# Allegro board LAY-29364_B.brd (continued)
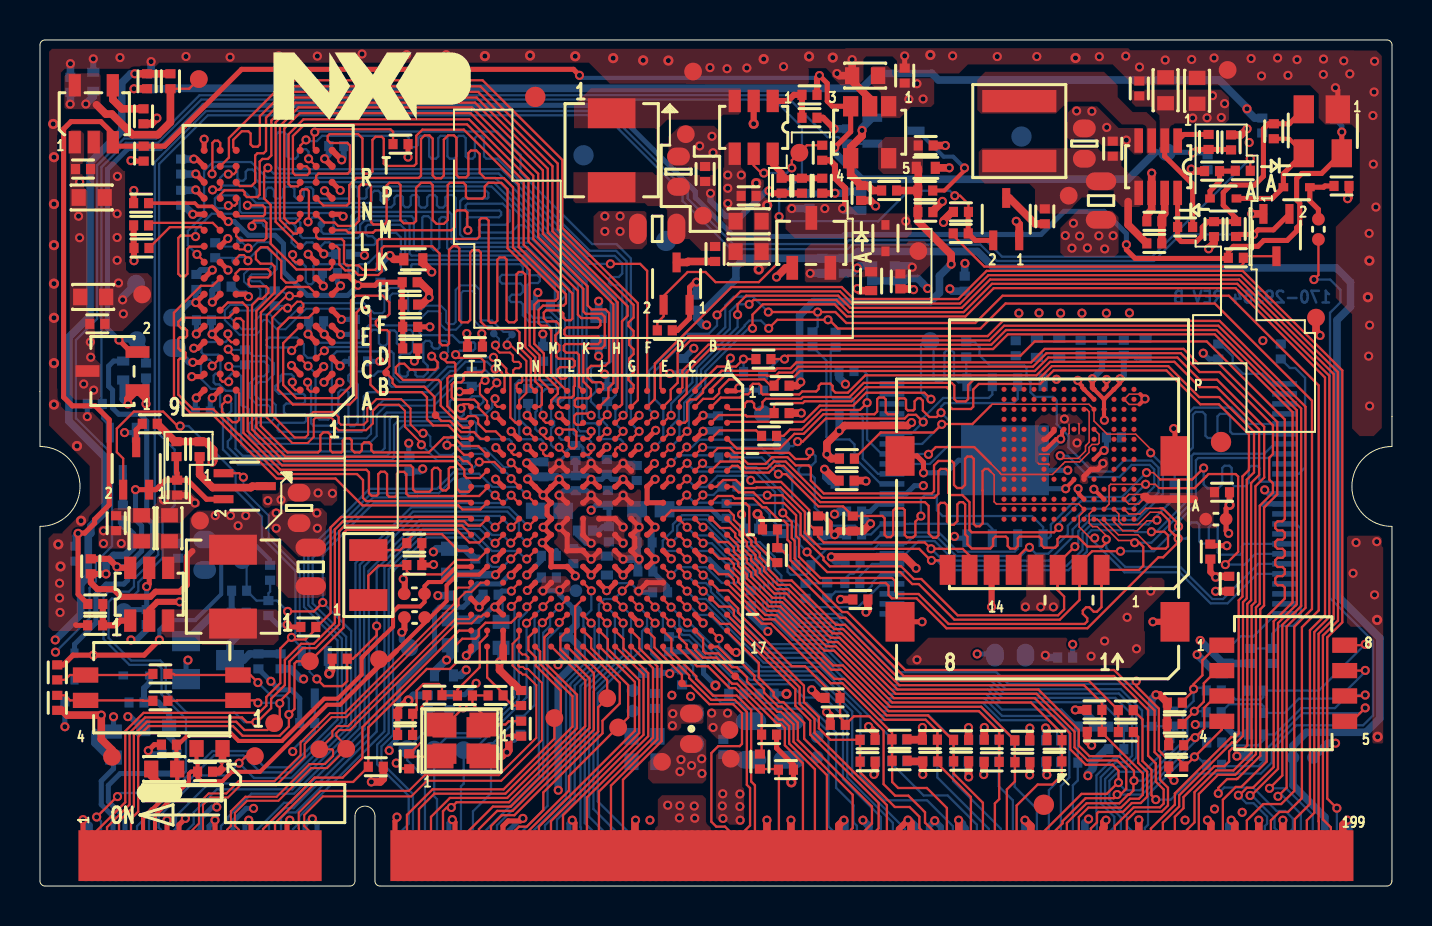
[diagram p0: board, top side]
## Placement (name value [footprint] x y rotation side) (continued)
R703  0  [0402_CC]  40.19 31.05 90 bottom
R704  0  [0402_CC]  39.12 31.05 90 bottom
R705  0  [0402_CC]  5.35 40.28 90 top
R706  133K  [0402_CC]  6.83 21.87 270 top
R707  90.9K  [0402_CC]  5.49 23.14 180 top
R708  953K  [0402_CC]  7.98 21.87 270 top
R709  0  [0402_CC]  6.52 40.28 90 top
R710  10K  [0402_CC]  2.76 14.12 180 top
R713  100K  [0402_CC]  6.86 19.94 270 top
R714  100K  [0402_CC]  13.42 12.97 180 top
R715  100K  [0402_CC]  14.99 11.38 180 top
R716  100K  [0402_CC]  57.26 32.99 180 top
R717  180K  [0402_CC]  55.72 32.16 0 top
R718  40.2K  [0402_CC]  55.72 33.27 180 top
R719  127K  [0402_CC]  38.1 35.05 90 top
R720  464K  [0402_CC]  42.46 34.81 180 top
R721  243K  [0402_CC]  44.27 34.81 0 top
R722  10K  [0402_CC]  38.48 39.6 0 top
R723  100K  [0402_CC]  39.12 35.05 270 top
R724  200K  [0402_CC]  41.06 34.69 270 top
R725  100K  [0402_CC]  40.36 37.52 90 bottom
R726  0  [0402_CC]  58.43 37.24 270 top
R727  0  [0402_CC]  59.56 37.22 270 top
R728  0  [RC0805_OV]  30.86 32.89 180 top
R729  0  [RC0805_OV]  13.54 15.98 90 top
R730  0  [RC0805_OV]  53.06 34.31 270 top
R731  0  [0402_CC]  44.27 33.73 180 top
R732  0  [RC0603_OV]  32.57 7.87 90 top
R733  10K  [0402_CC]  59.81 32.88 270 top
R734  51  [0402_CC]  50.24 33.52 270 top
R735  100K  [0402_CC]  59.8 31.44 0 top
R736  51  [0402_CC]  33.76 31.64 270 top
R737  51  [0402_CC]  4.15 18.69 90 bottom
R740  10K  [0402_CC]  46.04 32.66 180 top
R755  1M  [0402_CC]  65.08 35.04 0 top
R757  100  [0402_CC]  60.14 35.8 180 top
R758  0  [0402_CC]  61.69 37.78 90 top
R759  100K  [0402_CC]  5.33 13.46 90 bottom
R760  100K  [0402_CC]  39.12 36.7 90 top
SW601  DHN-04  [97C04]  62.17 10.15 270 top
SW602  1571983-1  [SW_DIP2_1P27_SM]  6.09 9.93 90 top
TP201  -  [TPAD_015]  22.69 27.65 90 bottom
TP202  -  [TPAD_015]  17.31 25.69 270 top
TP203  -  [TPAD_015]  9.75 31.31 270 bottom
TP204  -  [TPAD_015]  19.78 23.57 270 top
TP205  -  [TPAD_015]  23.61 27.6 90 bottom
TP206  -  [TPAD_015]  10 32.32 270 bottom
TP207  -  [TPAD_015]  25.91 24.31 90 bottom
TP208  -  [TPAD_015]  14.07 33.12 90 bottom
TP212  TP_35MIL  [TESTPOINT_35MIL]  32.29 37.63 270 top
TP214  TP_35MIL  [TESTPOINT_35MIL]  59.39 40.85 270 top
TP216  TP_35MIL  [TESTPOINT_35MIL]  5.11 29.61 270 top
TP301  TP_35MIL  [TESTPOINT_35MIL]  44.52 27.28 180 bottom
TP303  TP_35MIL  [TESTPOINT_35MIL]  37.08 22.02 0 bottom
TP402  -  [TPAD_015]  32.1 10.14 0 top
TP403  -  [TPAD_015]  34.77 10.5 0 top
TP502  TP_35MIL  [TESTPOINT_35MIL]  19.71 6.83 90 bottom
TP503  TP_35MIL  [TESTPOINT_35MIL]  25.72 8.41 270 top
TP504  TP_35MIL  [TESTPOINT_35MIL]  18.36 6.85 90 bottom
TP505  TP_35MIL  [TESTPOINT_35MIL]  22.55 6.77 90 bottom
TP506  TP_35MIL  [TESTPOINT_35MIL]  21.18 6.8 90 bottom
TP507  TP_35MIL  [TESTPOINT_35MIL]  10.11 16.31 270 bottom
TP508  TP_35MIL  [TESTPOINT_35MIL]  21.18 20.01 90 bottom
TP701  TP_35MIL  [TESTPOINT_35MIL]  4.85 27.33 90 bottom
TP702  TP_35MIL  [TESTPOINT_35MIL]  8 18.29 90 top
TP703  TP_35MIL  [TESTPOINT_35MIL]  4.19 13.72 90 bottom
TP704  TP_35MIL  [TESTPOINT_35MIL]  7.94 40.39 90 top
TP705  TP_35MIL  [TESTPOINT_35MIL]  51.44 34.55 0 top
TP706  TP_35MIL  [TESTPOINT_35MIL]  56.35 36.73 180 bottom
TP707  TP_35MIL  [TESTPOINT_35MIL]  43.92 31.78 270 top
TP708  TP_35MIL  [TESTPOINT_35MIL]  33.15 33.56 270 top
TP709  TP_35MIL  [TESTPOINT_35MIL]  36.14 23.63 0 bottom
TP710  TP_35MIL  [TESTPOINT_35MIL]  37.97 36.7 270 top
TP801  TP_35MIL  [TESTPOINT_35MIL]  31.1 6.22 0 top
TP802  TP_35MIL  [TESTPOINT_35MIL]  28.36 9.4 270 top
TP803  TP_35MIL  [TESTPOINT_35MIL]  28.91 7.94 270 top
TP804  TP_35MIL  [TESTPOINT_35MIL]  34.47 7.82 270 top
TP805  TP_35MIL  [TESTPOINT_35MIL]  18.47 11.94 270 bottom
TP806  TP_35MIL  [TESTPOINT_35MIL]  63.81 28.45 270 top
TP807  TP_35MIL  [TESTPOINT_35MIL]  15.31 6.87 90 top
TP808  TP_35MIL  [TESTPOINT_35MIL]  13.97 6.84 90 top
TP809  TP_35MIL  [TESTPOINT_35MIL]  16.96 11.35 90 top
TP810  TP_35MIL  [TESTPOINT_35MIL]  13.5 11.25 270 top
TP811  TP_35MIL  [TESTPOINT_35MIL]  11.71 8.15 270 top
TP812  TP_35MIL  [TESTPOINT_35MIL]  3.6 6.47 180 top
TP813  TP_35MIL  [TESTPOINT_35MIL]  32.66 40.77 270 top
TP814  TP_35MIL  [TESTPOINT_35MIL]  34.54 6.37 0 top
TP815  TP_35MIL  [TESTPOINT_35MIL]  4.8 30.15 270 bottom
TP816  TP_35MIL  [TESTPOINT_35MIL]  10.74 6.5 90 top
U101  MCIMX6Y2DVM09AB  [BGA289_0P8_14X14]  27.96 18.39 270 top
U201  MT41K256M16TW-107:P  [BGA96_0P8_8P15X14P15]  11.41 30.82 180 top
U301  MTFC8GACAAAM  [FBGA153_0P5_11P5X13]  51.45 21.61 180 top
U302  MT29F32G08CBADBWP-12IT:D  [TSOP48_12X20]  52.42 19.38 0 bottom
U303  MT25QL256ABA1EW9  [WPDFN8_1P27_8X6MM]  48.25 21.31 90 bottom
U501  UM803RS  [SOT-23]  8.4 11.31 90 bottom
U701  RT9169-33GVL  [SOT23-3-1P95]  3.63 25.78 90 top
U702  AP3401KTTR-G1  [SOT23-6]  5.46 14.61 0 top
U703  MP2144GJ  [TSOT23_8_0P65_2X1]  55.91 36 270 top
U704  RT9193  [SOT23-5]  2.74 38.63 0 top
U705  RT9169-18GVL  [SOT23-3-1P95]  38.57 32.19 0 top
U706  AP3401KTTR-G1  [SOT23-6]  35.69 37.97 180 top
U707  UM1750S-00  [SOT23-5_A]  41.49 37.73 270 top
U708  UM805RE  [SOT_143]  64.14 37.78 180 top
Y501  24MHZ  [XTLOSC4_3P2X2P5MM_SM]  21.08 7.29 180 top
Y502  32.768kHz  [XTAL2-3P2X1P5-SM]  16.42 15.56 90 top
Y503  24MHz  [XTLOSC4_2P6X2P1MM_SM]  21.08 7.29 0 top

## Library data of the parts
C101-C103 C106-C109 C111-C113 C116-C124 C201-C230 C301 C303-C306 C308-C316 C318 C319 C321-C323 C401-C405 C407-C414 C501 C503 C701-C733 C735-C747 C801-C809 C811-C820 = CAP_NP
C415-C418 C420-C423 C505-C508 = CAP_NP: room: ATLAS-AP
D102 D103 D701 D702 D705 = DIODE_SCHTKY
J301 = CON_MICROSD_8P_4G
L701 = IND: tolerance: 30%
L702 L703 = INDUCTOR
L801 L802 = BEAD_0
P801 = CONN_EDGE_200P
Q501 Q701 = NMOSFET_3P_ESD_DIODE
Q702-Q707 = 2SK3018
R101 R201-R209 R302-R312 R315 R317-R324 R402-R413 R501 R508 R510-R520 R617-R620 R624 R627-R630 R655 R656 R701-R710 R713-R737 R740 R755 R757-R760 = RES
R301 R503 R507 R601-R616 R621-R623 R625 R626 R631-R654 = RES: tolerance: 5%
SW601 = SW_DIP-4_SM
SW602 = SW_DIP-2_SMT
TP201-TP208 TP402 TP403 = TESTLOOP
TP212 TP214 TP216 TP301 TP303 TP502-TP508 TP701-TP710 TP801-TP816 = T POINT R: Tolerance: TOLERANCE; User Part Number: 510-75618
U101 = MCIMX6Y2DVM05AA_PBGA_289P
U201 = MT41J256M16RE_FBGA96
U301 = MTFC4GMVEA_WFBGA_153P
U302 = MT29F32G08CBADB_48P
U303 = MT25QL256ABA1EW9_9P
U501 = SGM803_SOT23-3P
U701 U705 = RT9169_3P
U702 U706 = AP3401KTTR_SOT23-6P
U703 = MP2144GJ_TSOT23_8P
U704 = RT9193-33PB
U707 = UM1750S-00_5P
U708 = UM805_4P
Y501 = XTAL_13
Y502 = XTAL
Y503 = SG8002

## Footprints (pads in the part's own frame, mm; a bottom-side part is the same pattern mirrored in y, then rotated)
97C04
  rect 0.762x1.245 smd: 1(-1.905,-3.073) 2(-0.635,-3.073) 3(0.635,-3.073) 4(1.905,-3.073) 5(1.905,3.073) 6(0.635,3.073) 7(-0.635,3.073) 8(-1.905,3.073)
0402_CC
  rect 0.457x0.508 smd: 1(-0.375,0) 2(0.375,0)
0603_CC
  rect 0.711x0.838 smd: 1(-0.65,0) 2(0.65,0)
BGA96_0P8_8P15X14P15
  round 0.356 smd: A1(-3.2,6) A2(-2.4,6) A3(-1.6,6) A7(1.6,6) A8(2.4,6) A9(3.2,6) B1(-3.2,5.2) B2(-2.4,5.2) B3(-1.6,5.2) B7(1.6,5.2) B8(2.4,5.2) B9(3.2,5.2) C1(-3.2,4.4) C2(-2.4,4.4) C3(-1.6,4.4) C7(1.6,4.4) C8(2.4,4.4) C9(3.2,4.4) D1(-3.2,3.6) D2(-2.4,3.6) D3(-1.6,3.6) D7(1.6,3.6) D8(2.4,3.6) D9(3.2,3.6) E1(-3.2,2.8) E2(-2.4,2.8) E3(-1.6,2.8) E7(1.6,2.8) E8(2.4,2.8) E9(3.2,2.8) F1(-3.2,2) F2(-2.4,2) F3(-1.6,2) F7(1.6,2) F8(2.4,2) F9(3.2,2) G1(-3.2,1.2) G2(-2.4,1.2) G3(-1.6,1.2) G7(1.6,1.2) G8(2.4,1.2) G9(3.2,1.2) H1(-3.2,0.4) H2(-2.4,0.4) H3(-1.6,0.4) H7(1.6,0.4) H8(2.4,0.4) H9(3.2,0.4) J1(-3.2,-0.4) J2(-2.4,-0.4) J3(-1.6,-0.4) J7(1.6,-0.4) J8(2.4,-0.4) J9(3.2,-0.4) K1(-3.2,-1.2) K2(-2.4,-1.2) K3(-1.6,-1.2) K7(1.6,-1.2) K8(2.4,-1.2) K9(3.2,-1.2) L1(-3.2,-2) L2(-2.4,-2) L3(-1.6,-2) L7(1.6,-2) L8(2.4,-2) L9(3.2,-2) M1(-3.2,-2.8) M2(-2.4,-2.8) M3(-1.6,-2.8) M7(1.6,-2.8) M8(2.4,-2.8) M9(3.2,-2.8) N1(-3.2,-3.6) N2(-2.4,-3.6) N3(-1.6,-3.6) N7(1.6,-3.6) N8(2.4,-3.6) N9(3.2,-3.6) P1(-3.2,-4.4) P2(-2.4,-4.4) P3(-1.6,-4.4) P7(1.6,-4.4) P8(2.4,-4.4) P9(3.2,-4.4) R1(-3.2,-5.2) R2(-2.4,-5.2) R3(-1.6,-5.2) R7(1.6,-5.2) R8(2.4,-5.2) R9(3.2,-5.2) T1(-3.2,-6) T2(-2.4,-6) T3(-1.6,-6) T7(1.6,-6) T8(2.4,-6) T9(3.2,-6)
BGA289_0P8_14X14
  round 0.305 smd: A1(-6.4,6.4) A2(-5.6,6.4) A3(-4.8,6.4) A4(-4,6.4) A5(-3.2,6.4) A6(-2.4,6.4) A7(-1.6,6.4) A8(-0.8,6.4) A9(0,6.4) A10(0.8,6.4) A11(1.6,6.4) A12(2.4,6.4) A13(3.2,6.4) A14(4,6.4) A15(4.8,6.4) A16(5.6,6.4) A17(6.4,6.4) B1(-6.4,5.6) B2(-5.6,5.6) B3(-4.8,5.6) B4(-4,5.6) B5(-3.2,5.6) B6(-2.4,5.6) B7(-1.6,5.6) B8(-0.8,5.6) B9(0,5.6) B10(0.8,5.6) B11(1.6,5.6) B12(2.4,5.6) B13(3.2,5.6) B14(4,5.6) B15(4.8,5.6) B16(5.6,5.6) B17(6.4,5.6) C1(-6.4,4.8) C2(-5.6,4.8) C3(-4.8,4.8) C4(-4,4.8) C5(-3.2,4.8) C6(-2.4,4.8) C7(-1.6,4.8) C8(-0.8,4.8) C9(0,4.8) C10(0.8,4.8) C11(1.6,4.8) C12(2.4,4.8) C13(3.2,4.8) C14(4,4.8) C15(4.8,4.8) C16(5.6,4.8) C17(6.4,4.8) D1(-6.4,4) D2(-5.6,4) D3(-4.8,4) D4(-4,4) D5(-3.2,4) D6(-2.4,4) D7(-1.6,4) D8(-0.8,4) D9(0,4) D10(0.8,4) D11(1.6,4) D12(2.4,4) D13(3.2,4) D14(4,4) D15(4.8,4) D16(5.6,4) D17(6.4,4) E1(-6.4,3.2) E2(-5.6,3.2) E3(-4.8,3.2) E4(-4,3.2) E5(-3.2,3.2) E6(-2.4,3.2) E7(-1.6,3.2) E8(-0.8,3.2) E9(0,3.2) E10(0.8,3.2) E11(1.6,3.2) E12(2.4,3.2) E13(3.2,3.2) E14(4,3.2) E15(4.8,3.2) E16(5.6,3.2) E17(6.4,3.2) F1(-6.4,2.4) F2(-5.6,2.4) F3(-4.8,2.4) F4(-4,2.4) F5(-3.2,2.4) F6(-2.4,2.4) F7(-1.6,2.4) F8(-0.8,2.4) F9(0,2.4) F10(0.8,2.4) F11(1.6,2.4) F12(2.4,2.4) F13(3.2,2.4) F14(4,2.4) F15(4.8,2.4) F16(5.6,2.4) F17(6.4,2.4) G1(-6.4,1.6) G2(-5.6,1.6) G3(-4.8,1.6) G4(-4,1.6) G5(-3.2,1.6) G6(-2.4,1.6) G7(-1.6,1.6) G8(-0.8,1.6) G9(0,1.6) G10(0.8,1.6) G11(1.6,1.6) G12(2.4,1.6) G13(3.2,1.6) G14(4,1.6) G15(4.8,1.6) G16(5.6,1.6) G17(6.4,1.6) H1(-6.4,0.8) H2(-5.6,0.8) H3(-4.8,0.8) H4(-4,0.8) H5(-3.2,0.8) H6(-2.4,0.8) H7(-1.6,0.8) H8(-0.8,0.8) H9(0,0.8) H10(0.8,0.8) H11(1.6,0.8) H12(2.4,0.8) H13(3.2,0.8) H14(4,0.8) H15(4.8,0.8) H16(5.6,0.8) H17(6.4,0.8) J1(-6.4,0) J2(-5.6,0) J3(-4.8,0) J4(-4,0) J5(-3.2,0) J6(-2.4,0) J7(-1.6,0) J8(-0.8,0) J9(0,0) J10(0.8,0) J11(1.6,0) J12(2.4,0) J13(3.2,0) J14(4,0) J15(4.8,0) J16(5.6,0) J17(6.4,0) K1(-6.4,-0.8) K2(-5.6,-0.8) K3(-4.8,-0.8) K4(-4,-0.8) K5(-3.2,-0.8) K6(-2.4,-0.8) K7(-1.6,-0.8) K8(-0.8,-0.8) K9(0,-0.8) K10(0.8,-0.8) K11(1.6,-0.8) K12(2.4,-0.8) K13(3.2,-0.8) K14(4,-0.8) K15(4.8,-0.8) K16(5.6,-0.8) K17(6.4,-0.8) L1(-6.4,-1.6) L2(-5.6,-1.6) L3(-4.8,-1.6) L4(-4,-1.6) L5(-3.2,-1.6) L6(-2.4,-1.6) L7(-1.6,-1.6) L8(-0.8,-1.6) L9(0,-1.6) L10(0.8,-1.6) L11(1.6,-1.6) L12(2.4,-1.6) L13(3.2,-1.6) L14(4,-1.6) L15(4.8,-1.6) L16(5.6,-1.6) L17(6.4,-1.6) M1(-6.4,-2.4) M2(-5.6,-2.4) M3(-4.8,-2.4) M4(-4,-2.4) M5(-3.2,-2.4) M6(-2.4,-2.4) M7(-1.6,-2.4) M8(-0.8,-2.4) M9(0,-2.4) M10(0.8,-2.4) M11(1.6,-2.4) M12(2.4,-2.4) M13(3.2,-2.4) M14(4,-2.4) M15(4.8,-2.4) M16(5.6,-2.4) M17(6.4,-2.4) N1(-6.4,-3.2) N2(-5.6,-3.2) N3(-4.8,-3.2) N4(-4,-3.2) N5(-3.2,-3.2) N6(-2.4,-3.2) N7(-1.6,-3.2) N8(-0.8,-3.2) N9(0,-3.2) N10(0.8,-3.2) N11(1.6,-3.2) N12(2.4,-3.2) N13(3.2,-3.2) N14(4,-3.2) N15(4.8,-3.2) N16(5.6,-3.2) N17(6.4,-3.2) P1(-6.4,-4) P2(-5.6,-4) P3(-4.8,-4) P4(-4,-4) P5(-3.2,-4) P6(-2.4,-4) P7(-1.6,-4) P8(-0.8,-4) P9(0,-4) P10(0.8,-4) P11(1.6,-4) P12(2.4,-4) P13(3.2,-4) P14(4,-4) P15(4.8,-4) P16(5.6,-4) P17(6.4,-4) R1(-6.4,-4.8) R2(-5.6,-4.8) R3(-4.8,-4.8) R4(-4,-4.8) R5(-3.2,-4.8) R6(-2.4,-4.8) R7(-1.6,-4.8) R8(-0.8,-4.8) R9(0,-4.8) R10(0.8,-4.8) R11(1.6,-4.8) R12(2.4,-4.8) R13(3.2,-4.8) R14(4,-4.8) R15(4.8,-4.8) R16(5.6,-4.8) R17(6.4,-4.8) T1(-6.4,-5.6) T2(-5.6,-5.6) T3(-4.8,-5.6) T4(-4,-5.6) T5(-3.2,-5.6) T6(-2.4,-5.6) T7(-1.6,-5.6) T8(-0.8,-5.6) T9(0,-5.6) T10(0.8,-5.6) T11(1.6,-5.6) T12(2.4,-5.6) T13(3.2,-5.6) T14(4,-5.6) T15(4.8,-5.6) T16(5.6,-5.6) T17(6.4,-5.6) U1(-6.4,-6.4) U2(-5.6,-6.4) U3(-4.8,-6.4) U4(-4,-6.4) U5(-3.2,-6.4) U6(-2.4,-6.4) U7(-1.6,-6.4) U8(-0.8,-6.4) U9(0,-6.4) U10(0.8,-6.4) U11(1.6,-6.4) U12(2.4,-6.4) U13(3.2,-6.4) U14(4,-6.4) U15(4.8,-6.4) U16(5.6,-6.4) U17(6.4,-6.4)
CC0402_25
  round 0.635 smd: 1(-0.508,0) 2(0.508,0)
CC0402_TOL0P15
  rect 0.457x0.61 smd: 1(-0.475,0) 2(0.475,0)
CC0603
  rect 0.991x0.813 smd: 1(-0.686,0) 2(0.686,0)
CC0603_OV
  oval 0.889x1.143 smd: 1(-0.762,0) 2(0.762,0)
CC0805_OV
  oval 0.889x1.524 smd: 1(-0.965,0) 2(0.965,0)
CON8_MICROSD_1P1_SMT
  rect 0.787x1.499 smd: 1(3.2,-2.65) 2(2.1,-2.65) 3(1,-2.65) 4(-0.1,-2.65) 5(-1.2,-2.65) 6(-2.3,-2.65) 7(-3.4,-2.65) 8(-4.5,-2.65)
  rect 1.448x1.981 smd: G1(6.87,-5.25) G2(6.87,3.05) G3(-6.88,3.05) G4(-6.88,-5.25)
FBGA153_0P5_11P5X13
  round 0.254 smd: A1(-3.25,3.25) A2(-2.75,3.25) A3(-2.25,3.25) A4(-1.75,3.25) A5(-1.25,3.25) A6(-0.75,3.25) A7(-0.25,3.25) A8(0.25,3.25) A9(0.75,3.25) A10(1.25,3.25) A11(1.75,3.25) A12(2.25,3.25) A13(2.75,3.25) A14(3.25,3.25) B1(-3.25,2.75) B2(-2.75,2.75) B3(-2.25,2.75) B4(-1.75,2.75) B5(-1.25,2.75) B6(-0.75,2.75) B7(-0.25,2.75) B8(0.25,2.75) B9(0.75,2.75) B10(1.25,2.75) B11(1.75,2.75) B12(2.25,2.75) B13(2.75,2.75) B14(3.25,2.75) C1(-3.25,2.25) C2(-2.75,2.25) C3(-2.25,2.25) C4(-1.75,2.25) C5(-1.25,2.25) C6(-0.75,2.25) C7(-0.25,2.25) C8(0.25,2.25) C9(0.75,2.25) C10(1.25,2.25) C11(1.75,2.25) C12(2.25,2.25) C13(2.75,2.25) C14(3.25,2.25) D1(-3.25,1.75) D2(-2.75,1.75) D3(-2.25,1.75) D4(-1.75,1.75) D12(2.25,1.75) D13(2.75,1.75) D14(3.25,1.75) E1(-3.25,1.25) E2(-2.75,1.25) E3(-2.25,1.25) E5(-1.25,1.25) E6(-0.75,1.25) E7(-0.25,1.25) E8(0.25,1.25) E9(0.75,1.25) E10(1.25,1.25) E12(2.25,1.25) E13(2.75,1.25) E14(3.25,1.25) F1(-3.25,0.75) F2(-2.75,0.75) F3(-2.25,0.75) F5(-1.25,0.75) F10(1.25,0.75) F12(2.25,0.75) F13(2.75,0.75) F14(3.25,0.75) G1(-3.25,0.25) G2(-2.75,0.25) G3(-2.25,0.25) G5(-1.25,0.25) G10(1.25,0.25) G12(2.25,0.25) G13(2.75,0.25) G14(3.25,0.25) H1(-3.25,-0.25) H2(-2.75,-0.25) H3(-2.25,-0.25) H5(-1.25,-0.25) H10(1.25,-0.25) H12(2.25,-0.25) H13(2.75,-0.25) H14(3.25,-0.25) J1(-3.25,-0.75) J2(-2.75,-0.75) J3(-2.25,-0.75) J5(-1.25,-0.75) J10(1.25,-0.75) J12(2.25,-0.75) J13(2.75,-0.75) J14(3.25,-0.75) K1(-3.25,-1.25) K2(-2.75,-1.25) K3(-2.25,-1.25) K5(-1.25,-1.25) K6(-0.75,-1.25) K7(-0.25,-1.25) K8(0.25,-1.25) K9(0.75,-1.25) K10(1.25,-1.25) K12(2.25,-1.25) K13(2.75,-1.25) K14(3.25,-1.25) L1(-3.25,-1.75) L2(-2.75,-1.75) L3(-2.25,-1.75) L12(2.25,-1.75) L13(2.75,-1.75) L14(3.25,-1.75) M1(-3.25,-2.25) M2(-2.75,-2.25) M3(-2.25,-2.25) M4(-1.75,-2.25) M5(-1.25,-2.25) M6(-0.75,-2.25) M7(-0.25,-2.25) M8(0.25,-2.25) M9(0.75,-2.25) M10(1.25,-2.25) M11(1.75,-2.25) M12(2.25,-2.25) M13(2.75,-2.25) M14(3.25,-2.25) N1(-3.25,-2.75) N2(-2.75,-2.75) N3(-2.25,-2.75) N4(-1.75,-2.75) N5(-1.25,-2.75) N6(-0.75,-2.75) N7(-0.25,-2.75) N8(0.25,-2.75) N9(0.75,-2.75) N10(1.25,-2.75) N11(1.75,-2.75) N12(2.25,-2.75) N13(2.75,-2.75) N14(3.25,-2.75) P1(-3.25,-3.25) P2(-2.75,-3.25) P3(-2.25,-3.25) P4(-1.75,-3.25) P5(-1.25,-3.25) P6(-0.75,-3.25) P7(-0.25,-3.25) P8(0.25,-3.25) P9(0.75,-3.25) P10(1.25,-3.25) P11(1.75,-3.25) P12(2.25,-3.25) P13(2.75,-3.25) P14(3.25,-3.25)
IND2_SQ4P31_2_SM
  rect 1.499x2.388 smd: 1(-1.85,0) 2(1.85,0)
IND_4020
  rect 1.118x3.708 smd: 1(-1.5,0) 2(1.5,0)
RC0603_OV
  oval 0.889x1.143 smd: 1(-0.762,0) 2(0.762,0)
RC0805_OV
  oval 0.889x1.524 smd: 1(-0.965,0) 2(0.965,0)
SOD_523
  rect 0.483x0.406 smd: A(-0.661,0) C(0.661,0)
SODIMM_67589
  rect 0.457x2.54 smd: 1(-31.674,0) 2(-31.374,0) 3(-31.074,0) 4(-30.775,0) 5(-30.475,0) 6(-30.175,0) 7(-29.875,0) 8(-29.576,0) 9(-29.276,0) 10(-28.974,0) 11(-28.674,0) 12(-28.374,0) 13(-28.075,0) 14(-27.775,0) 15(-27.475,0) 16(-27.175,0) 17(-26.876,0) 18(-26.576,0) 19(-26.276,0) 20(-25.974,0) 21(-25.674,0) 22(-25.375,0) 23(-25.075,0) 24(-24.775,0) 25(-24.475,0) 26(-24.176,0) 27(-23.876,0) 28(-23.576,0) 29(-23.277,0) 30(-22.974,0) 31(-22.675,0) 32(-22.375,0) 33(-22.075,0) 34(-21.775,0) 35(-21.476,0) 36(-21.176,0) 37(-20.876,0) 38(-20.577,0) 39(-20.277,0) 40(-19.975,0) 41(-16.076,0) 42(-15.776,0) 43(-15.476,0) 44(-15.177,0) 45(-14.877,0) 46(-14.577,0) 47(-14.275,0) 48(-13.975,0) 49(-13.675,0) 50(-13.376,0) 51(-13.076,0) 52(-12.776,0) 53(-12.476,0) 54(-12.177,0) 55(-11.877,0) 56(-11.577,0) 57(-11.275,0) 58(-10.975,0) 59(-10.676,0) 60(-10.376,0) 61(-10.076,0) 62(-9.776,0) 63(-9.477,0) 64(-9.177,0) 65(-8.877,0) 66(-8.578,0) 67(-8.275,0) 68(-7.976,0) 69(-7.676,0) 70(-7.376,0) 71(-7.076,0) 72(-6.777,0) 73(-6.477,0) 74(-6.177,0) 75(-5.878,0) 76(-5.578,0) 77(-5.276,0) 78(-4.976,0) 79(-4.676,0) 80(-4.376,0) 81(-4.077,0) 82(-3.777,0) 83(-3.477,0) 84(-3.178,0) 85(-2.878,0) 86(-2.578,0) 87(-2.276,0) 88(-1.976,0) 89(-1.676,0) 90(-1.377,0) 91(-1.077,0) 92(-0.777,0) 93(-0.478,0) 94(-0.178,0) 95(0.122,0) 96(0.424,0) 97(0.724,0) 98(1.024,0) 99(1.323,0) 100(1.623,0) 101(1.923,0) 102(2.223,0) 103(2.522,0) 104(2.822,0) 105(3.122,0) 106(3.424,0) 107(3.724,0) 108(4.023,0) 109(4.323,0) 110(4.623,0) 111(4.923,0) 112(5.222,0) 113(5.522,0) 114(5.822,0) 115(6.121,0) 116(6.424,0) 117(6.723,0) 118(7.023,0) 119(7.323,0) 120(7.623,0) 121(7.922,0) 122(8.222,0) 123(8.522,0) 124(8.821,0) 125(9.121,0) 126(9.423,0) 127(9.723,0) 128(10.023,0) 129(10.323,0) 130(10.622,0) 131(10.922,0) 132(11.222,0) 133(11.521,0) 134(11.821,0) 135(12.121,0) 136(12.423,0) 137(12.723,0) 138(13.023,0) 139(13.322,0) 140(13.622,0) 141(13.922,0) 142(14.221,0) 143(14.521,0) 144(14.821,0) 145(15.121,0) 146(15.423,0) 147(15.723,0) 148(16.022,0) 149(16.322,0) 150(16.622,0) 151(16.921,0) 152(17.221,0) 153(17.521,0) 154(17.821,0) 155(18.12,0) 156(18.423,0) 157(18.722,0) 158(19.022,0) 159(19.322,0) 160(19.622,0) 161(19.921,0) 162(20.221,0) 163(20.521,0) 164(20.82,0) 165(21.12,0) 166(21.422,0) 167(21.722,0) 168(22.022,0) 169(22.322,0) 170(22.621,0) 171(22.921,0) 172(23.221,0) 173(23.52,0) 174(23.82,0) 175(24.12,0) 176(24.422,0) 177(24.722,0) 178(25.022,0) 179(25.321,0) 180(25.621,0) 181(25.921,0) 182(26.22,0) 183(26.52,0) 184(26.82,0) 185(27.12,0) 186(27.422,0) 187(27.722,0) 188(28.021,0) 189(28.321,0) 190(28.621,0) 191(28.92,0) 192(29.22,0) 193(29.52,0) 194(29.82,0) 195(30.119,0) 196(30.422,0) 197(30.721,0) 198(31.021,0) 199(31.321,0) 200(31.62,0)
SOT23-3-1P95
  rect 0.584x1.194 smd: 1(-0.953,-1.25) 2(0.953,-1.25) 3(0,1.25)
SOT23-5
  rect 0.61x1.118 smd: 1(-1,-1.4) 2(-0.05,-1.4) 3(0.9,-1.4) 4(0.9,1.45) 5(-1,1.45)
SOT23-5_A
  rect 1.016x0.762 smd: 1(-1.3,0.95) 2(-1.3,0) 3(-1.3,-0.95) 4(1.3,-0.95) 5(1.3,0.95)
SOT23-6
  rect 0.61x1.118 smd: 1(-0.95,-1.321) 2(0,-1.321) 3(0.95,-1.321) 4(0.95,1.321) 5(0,1.321) 6(-0.95,1.321)
SOT323_3
  rect 0.406x0.991 smd: 1(0.65,-1.06) 2(-0.65,-1.06) 3(0,1.06)
SOT-23
  rect 1.016x1.397 smd: 1(-0.95,-1.1) 2(0.95,-1.1) 3(0,1.1)
SOT_143
  rect 1.219x1.397 smd: 1(-0.75,-1.1)
  rect 1.016x1.397 smd: 2(0.95,-1.1) 3(0.95,1.1) 4(-0.95,1.1)
SW_DIP2_1P27_SM
  rect 0.762x1.27 smd: 1(-0.635,-3.81) 2(0.635,-3.81) 3(0.635,3.81) 4(-0.635,3.81)
TESTPOINT_35MIL
  round 0.889 smd: 1(0,0)
TPAD_015
  round 0.381 smd: 1(0,0)
TSOP48_12X20
  rect 1.245x0.279 smd: 1(-9.817,5.753) 2(-9.817,5.253) 3(-9.817,4.752) 4(-9.817,4.252) 5(-9.817,3.752) 6(-9.817,3.251) 7(-9.817,2.751) 8(-9.817,2.25) 9(-9.817,1.75) 10(-9.817,1.25) 11(-9.817,0.749) 12(-9.817,0.249) 13(-9.817,-0.251) 14(-9.817,-0.752) 15(-9.817,-1.252) 16(-9.817,-1.753) 17(-9.817,-2.253) 18(-9.817,-2.753) 19(-9.817,-3.254) 20(-9.817,-3.754) 21(-9.817,-4.255) 22(-9.817,-4.755) 23(-9.817,-5.255) 24(-9.817,-5.756) 25(9.817,-5.756) 26(9.817,-5.255) 27(9.817,-4.755) 28(9.817,-4.255) 29(9.817,-3.754) 30(9.817,-3.254) 31(9.817,-2.753) 32(9.817,-2.253) 33(9.817,-1.753) 34(9.817,-1.252) 35(9.817,-0.752) 36(9.817,-0.251) 37(9.817,0.249) 38(9.817,0.749) 39(9.817,1.25) 40(9.817,1.75) 41(9.817,2.25) 42(9.817,2.751) 43(9.817,3.251) 44(9.817,3.752) 45(9.817,4.252) 46(9.817,4.752) 47(9.817,5.253) 48(9.817,5.753)
TSOT23_8_0P65_2X1
  rect 1.219x0.432 smd: 1(-1.31,0.975) 2(-1.31,0.325) 3(-1.31,-0.325) 4(-1.31,-0.975) 5(1.31,-0.975) 6(1.31,-0.325) 7(1.31,0.325) 8(1.31,0.975)
unnamed#2
  round 1.016 smd: 1(0,0)
WPDFN8_1P27_8X6MM
  rect 0.889x0.457 smd: 1(-3.901,1.905) 2(-3.901,0.635) 3(-3.901,-0.635) 4(-3.901,-1.905) 5(3.901,-1.905) 6(3.901,-0.635) 7(3.901,0.635) 8(3.901,1.905)
  rect 3.505x4.394 smd: 9(0,0)
XTAL2-3P2X1P5-SM
  rect 1.092x1.905 smd: 1(-1.25,0) 2(1.25,0)
XTLOSC4_2P6X2P1MM_SM
  rect 1.194x1.016 smd: 1(-0.85,-0.66) 2(0.85,-0.66) 3(0.85,0.66) 4(-0.85,0.66)
XTLOSC4_3P2X2P5MM_SM
  rect 1.397x1.194 smd: 1(-1.1,-0.8) 2(1.1,-0.8) 3(1.1,0.8) 4(-1.1,0.8)

## Nets
GND: C101.2 C102.2 C103.2 C106.2 C107.2 C108.2 C109.2 C111.2 C112.2 C113.2 C116.2 C117.2 C118.2 C119.2 C120.2 C121.2 C122.2 C123.2 C124.2 C201.2 C202.2 C203.2 C204.2 C205.2 C206.2 C207.2 C208.2 C209.2 C210.2 C211.2 C212.2 C213.2 C214.2 C215.2 C216.2 C217.2 C218.2 C219.2 C220.2 C221.2 C223.2 C224.2 C225.2 C226.2 C301.2 C303.2 C304.2 C305.2 C306.2 C308.2 C309.2 C310.2 C311.2 C312.2 C313.2 C314.2 C315.2 C316.2 C318.2 C319.2 C321.2 C322.2 C323.2 C401.2 C402.2 C403.2 C404.2 C405.2 C407.2 C408.2 C409.2 C410.2 C411.2 C412.2 C413.2 C414.1 C415.1 C416.2 C417.1 C418.1 C420.1 C421.2 C422.1 C423.1 C501.2 C503.2 C505.2 C506.2 C507.2 C508.2 C701.2 C702.2 C703.2 C704.2 C705.2 C706.2 C707.2 C708.2 C709.2 C710.2 C711.2 C712.2 C713.2 C714.2 C715.2 C716.2 C717.2 C718.2 C719.2 C720.2 C721.2 C722.2 C723.2 C724.2 C725.2 C726.2 C727.2 C728.2 C729.2 C730.2 C731.2 C732.2 C733.2 C735.2 C736.2 C737.2 C739.2 C740.2 C741.2 C742.2 C743.2 C744.2 C745.2 C746.2 C747.2 C801.2 C802.2 C803.2 C804.2 C805.2 C806.2 C807.2 C808.2 C809.2 C811.2 C812.2 C813.2 C814.2 C815.2 C816.2 C817.2 C818.2 J301.6(VSS) J301.G1 J301.G2 J301.G3 J301.G4 P801.1 P801.2 P801.15 P801.17 P801.20 P801.22 P801.23 P801.26 P801.28 P801.29 P801.35 P801.38 P801.40 P801.41 P801.50 P801.51 P801.59 P801.60 P801.70 P801.71 P801.81 P801.82 P801.84 P801.103 P801.107 P801.115 P801.116 P801.120 P801.125 P801.127 P801.128 P801.130 P801.132 P801.135 P801.136 P801.146 P801.147 P801.156 P801.159 P801.165 P801.168 P801.170 P801.172 P801.174 P801.176 P801.177 P801.178 P801.180 P801.181 P801.182 P801.184 P801.185 P801.189 P801.199 P801.200 Q501.1(SOURCE) Q704.1(SOURCE) Q705.1(SOURCE) Q706.1(SOURCE) Q707.1(SOURCE) R201.1 R202.2 R203.2 R204.1 R205.1 R208.2 R209.2 R301.2 R307.2 R308.2 R310.2 R503.2 R507.2 R510.2 R516.2 R520.1 R631.1 R632.1 R633.1 R634.1 R635.1 R636.1 R637.1 R638.1 R639.1 R640.1 R641.1 R642.1 R643.1 R644.1 R645.1 R646.1 R647.1 R648.1 R649.1 R650.1 R651.1 R652.1 R653.1 R654.1 R713.2 R714.2 R715.2 R718.2 R723.2 R724.2 R725.2 R755.2 TP212.1(TP) TP214.1(TP) TP216.1(TP) TP804.1(TP) TP805.1(TP) TP806.1(TP) TP813.1(TP) TP815.1(TP) U101.A1 U101.A17 U101.C3 U101.C7 U101.C11 U101.C15 U101.E8 U101.E11 U101.F6 U101.F7 U101.F8 U101.F9 U101.F10 U101.F11 U101.F12 U101.G3 U101.G5 U101.G7 U101.G12 U101.G15 U101.H7 U101.H12 U101.J5 U101.J7 U101.J12 U101.K7 U101.K12 U101.L3 U101.L7 U101.L12 U101.M7 U101.M8 U101.M9 U101.M10 U101.M11 U101.M12 U101.N3 U101.N5 U101.N7 U101.R3 U101.R5 U101.R7 U101.R11 U101.R16 U101.R17 U101.T14 U101.U1 U101.U14 U101.U17 U201.A9 U201.B1 U201.B3 U201.B9 U201.D1 U201.D8 U201.E1 U201.E2 U201.E8 U201.F9 U201.G1 U201.G8 U201.G9 U201.J2 U201.J8 U201.M1 U201.M9 U201.P1 U201.P9 U201.T1 U201.T9 U301.C4 U301.E7 U301.G5 U301.H10 U301.K8 U301.N2 U301.N5 U301.P4 U301.P6 U302.13 U302.36 U303.4 U303.9 U501.1 U701.1 U702.2 U703.4 U703.6 U704.2 U705.1 U706.2 U707.2 U708.1 Y501.4 Y503.2
VDD_ARM_CAP: C102.1 C103.1 C106.1 U101.G9 U101.G10 U101.G11 U101.H11
VDD_ARM_SOC_IN: C101.1 C107.1 C108.1 C109.1 R729.2 U101.H9 U101.H10 U101.J9 U101.J10 U101.K9 U101.K10
VDD_COIN_3V: C803.1 C804.1 D103.A P801.8 R101.1
VDD_HIGH_CAP: C119.1 C120.1 C201.1 U101.N6 U101.R14 U101.R15
VDD_HIGH_IN: C117.1 C118.1 R732.2 U101.N13
VDD_SNVS_3V3: C709.1 C710.1 C740.1 D102.A R735.1 TP701.1(TP) U701.2(VOUT) U708.4(VCC)
VDD_SNVS_CAP: C124.1 U101.N12
VDD_SNVS_IN: C123.1 C801.1 C802.1 D102.C D103.C P801.6 R101.2 R519.1 R625.2 R626.2 TP812.1(TP) U101.P12
VDD_SOC_CAP: C111.1 C112.1 C113.1 C116.1 U101.G8 U101.H8 U101.J8 U101.J11 U101.K8 U101.K11 U101.L8 U101.L9 U101.L10 U101.L11
VDDA_ADC_3P3: C410.1 C411.1 R705.2 R709.2 U101.L13 U101.M13
VDDUSB: C408.1 C409.1 U101.R12
ACC_INT: P801.36 U101.R10
ARM_SOC_PG: R759.2 TP703.1(TP) U702.5
AUD_INT: P801.30 U101.P9
BLT_PWM: P801.45 U101.N17
BOOT_MODE0: P801.9 R655.1 SW602.2 TP810.1(TP) U101.T10
BOOT_MODE1: P801.7 R656.1 SW602.1 TP811.1(TP) U101.U10
BT_DISABLE: P801.32 U101.R9
CAN1_RX: P801.80 U101.G14
CAN1_TX: P801.76 U101.H15
CAN2_RX: P801.78 U101.H14
CAN2_TX: P801.72 U101.J15
CLK1_N: P801.37 U101.P16
CLK1_P: P801.39 U101.P17
CSI_DATA0: P801.195 U101.E4
CSI_DATA1: P801.193 U101.E3
CSI_DATA2: P801.194 U101.E2
CSI_DATA3: P801.192 U101.E1
CSI_DATA4: P801.191 U101.D4
CSI_DATA5: P801.190 U101.D3
CSI_DATA6: P801.186 U101.D2
CSI_DATA7: P801.188 U101.D1
CSI_HSYNC: P801.197 U101.F3
CSI_MCLK: P801.187 R311.1 U101.F5
CSI_PIXCLK: P801.183 R312.1 U101.E5
CSI_VSYNC: P801.198 U101.F2
DCDC_3V3: C301.1 C303.1 C308.1 C309.1 C310.1 C313.1 C314.1 C315.1 C316.1 C318.1 C401.1 C402.1 C413.1 C721.1 C722.1 C741.1 C742.1 C815.1 C816.1 C817.1 D701.C J301.4 L801.1 L802.1 R302.1 R303.1 R309.2 R315.1 R317.1 R318.1 R319.1 R320.1 R321.1 R322.1 R512.1 R513.1 R517.2 R601.2 R602.2 R603.2 R604.2 R605.2 R606.2 R607.2 R608.2 R609.2 R610.2 R611.2 R612.2 R613.2 R614.2 R615.2 R616.2 R617.2 R618.2 R619.2 R620.2 R621.2 R622.2 R623.2 R624.2 R701.1 R703.1 R705.1 R727.1 R730.2 R731.1 R732.1 R760.1 TP801.1(TP) U101.E13 U101.F13 U101.H13 U101.J13(NVCC_GPIO) U301.E6 U301.F5 U301.J10 U301.K9 U302.12 U302.37 U303.8 U705.3
DCDC_3V3_PG: C743.1 C744.1 C747.1 R710.2 R722.2 R726.2 R727.2 TP706.1(TP) U704.3 U707.3(S\H\D\N\)
DISCHG_EN: C736.1 C745.1 C746.1 Q705.2 Q706.2 Q707.2 R740.1
DRAM_1V35: C205.1 C206.1 C207.1 C208.1 C209.1 C210.1 C211.1 C212.1 C213.1 C214.1 C215.1 C216.1 C217.1 C218.1 C219.1 C220.1 C221.1 C222.1 C223.1 C225.1 C226.1 R207.1 R728.2 U101.G6 U101.H6 U101.J6 U101.K6 U101.L6 U101.M6 U201.A1 U201.A8 U201.B2 U201.C1 U201.C9 U201.D2 U201.D9 U201.E9 U201.F1 U201.G7 U201.H2 U201.H9 U201.K2 U201.K8 U201.N1 U201.N9 U201.R1 U201.R9
DRAM_ADDR0: TP207.1(PIN1) TP208.1(PIN1) U101.L5 U201.N3
DRAM_ADDR1: U101.H2 U201.P7
DRAM_ADDR2: U101.K1 U201.P3
DRAM_ADDR3: U101.M2 U201.N2
DRAM_ADDR4: U101.K4 U201.P8
DRAM_ADDR5: U101.L1 U201.P2
DRAM_ADDR6: U101.G2 U201.R8
DRAM_ADDR7: U101.H4 U201.R2
DRAM_ADDR8: U101.J4 U201.T8
DRAM_ADDR9: U101.L2 U201.R3
DRAM_ADDR10: U101.M4 U201.L7
DRAM_ADDR11: U101.K3 U201.R7
DRAM_ADDR12: U101.L4 U201.N7
DRAM_ADDR13: U101.H3 U201.T3
DRAM_ADDR14: U101.G1 U201.T7
DRAM_ADDR15: U101.K5 U201.M7
DRAM_CAS_B: U101.J2 U201.K3
DRAM_CS0_B: U101.N2 U201.L2
DRAM_CS1_B: U101.H5 U201.L1
DRAM_DATA0: TP202.1(PIN1) TP204.1(PIN1) U101.T4 U201.E3
DRAM_DATA1: U101.U6 U201.H3
DRAM_DATA2: U101.T6 U201.H7
DRAM_DATA3: U101.U7 U201.F8
DRAM_DATA4: U101.U8 U201.F7
DRAM_DATA5: U101.T8 U201.H8
DRAM_DATA6: U101.T5 U201.G2
DRAM_DATA7: U101.U4 U201.F2
DRAM_DATA8: U101.U2 U201.D7
DRAM_DATA9: U101.U3 U201.C3
DRAM_DATA10: U101.U5 U201.C8
DRAM_DATA11: U101.R4 U201.C2
DRAM_DATA12: U101.P5 U201.A7
DRAM_DATA13: U101.P3 U201.A2
DRAM_DATA14: U101.R2 U201.B8
DRAM_DATA15: U101.R1 U201.A3
DRAM_DQM0: U101.T7 U201.E7
DRAM_DQM1: U101.T3 U201.D3
DRAM_ODT0: U101.N1 U201.K1
DRAM_ODT1: U101.F1 U201.J1
DRAM_PG: R760.2 TP710.1(TP) U706.5
DRAM_RAS_B: U101.M5 U201.J3
DRAM_RESET_B: R201.2 U101.G4 U201.T2
DRAM_SDBA0: U101.M1 U201.M2
DRAM_SDBA1: U101.H1 U201.N8
DRAM_SDBA2: U101.K2 U201.M3
DRAM_SDCKE0: R203.1 U101.M3 U201.K9
DRAM_SDCKE1: R202.1 U101.J3 U201.J9
DRAM_SDCLK0_N: R206.2 TP205.1(PIN1) TP206.1(PIN1) U101.P2 U201.K7
DRAM_SDCLK0_P: R206.1 TP201.1(PIN1) TP203.1(PIN1) U101.P1 U201.J7
DRAM_SDQS0_N: C227.2 C229.2 U101.P7 U201.G3
DRAM_SDQS0_P: C227.1 C229.1 U101.P6 U201.F3
DRAM_SDQS1_N: C228.2 C230.2 U101.T2 U201.B7
DRAM_SDQS1_P: C228.1 C230.1 U101.T1 U201.C7
DRAM_SDWE_B: U101.J1 U201.L3
DRAM_VREF: C202.1 C203.1 C204.1 C222.2 C224.1 R207.2 R208.1 U101.P4 U201.H1 U201.M8
DRAM_ZQ0: R204.2 U201.L8(ZQ)
DRAM_ZQ1: R209.1 U201.L9
ECSPI4_MISO: C416.1 P801.105 R410.2
